# KiCad board Y_BUS_Ctrl.kicad_pcb (continued)
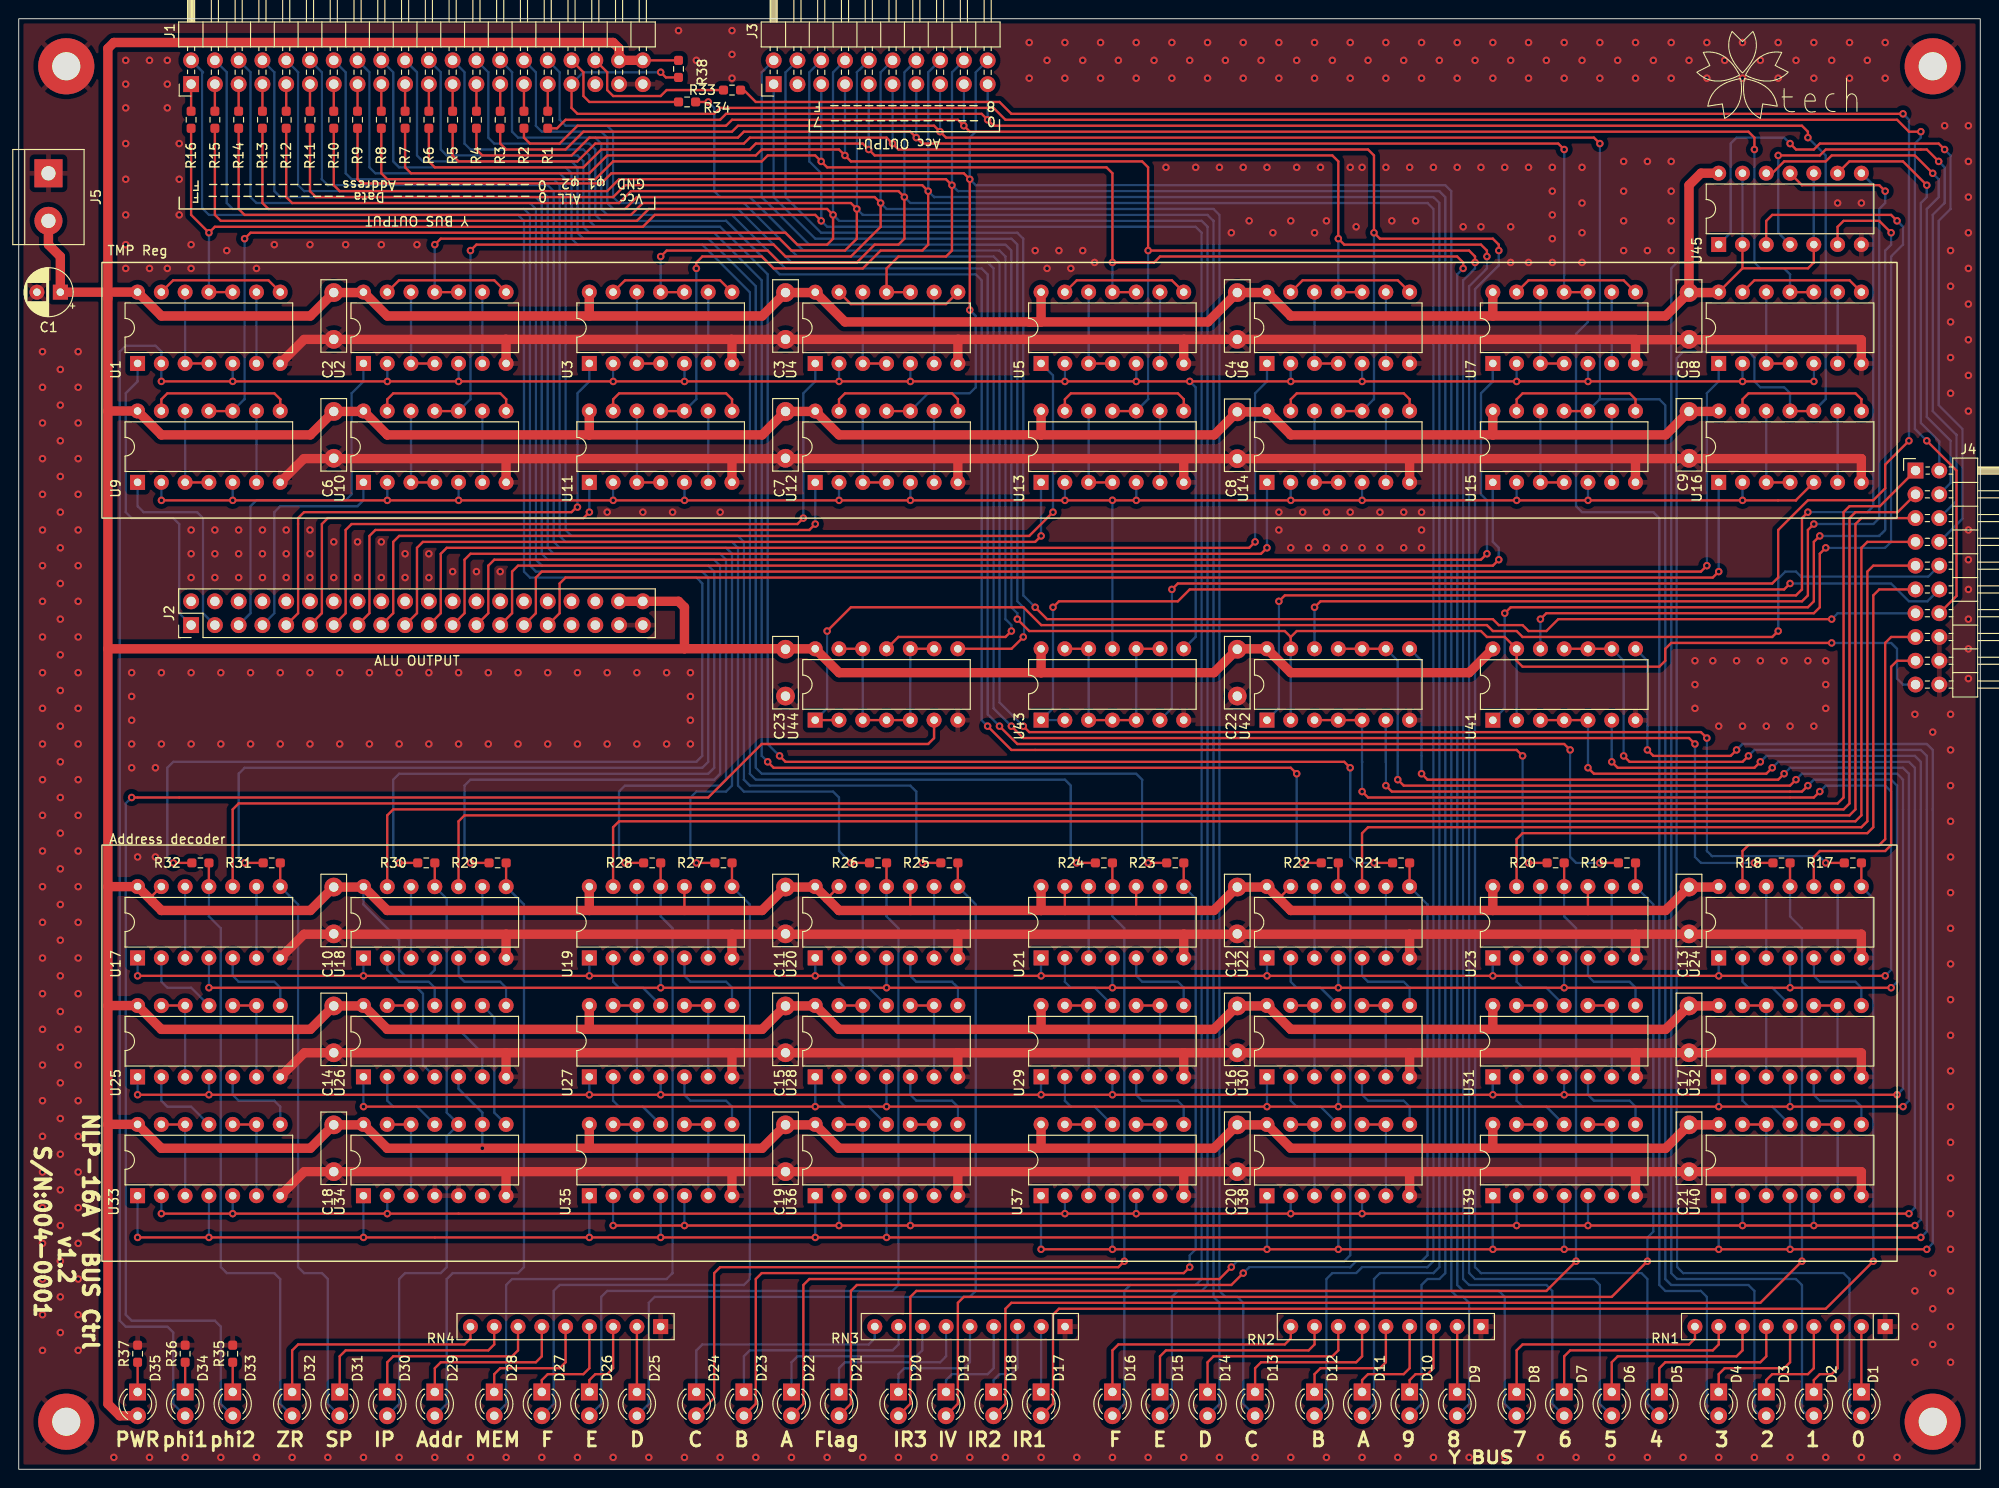
[diagram p0: board, top side]
## Nets (continued)
Net-(U18-Pad12): U18.3 U18.12
Net-(U19-Pad2): U19.2 U27.11
Net-(U19-Pad5): U19.5 U27.8
Net-(U19-Pad6): U19.6 U19.9
Net-(U19-Pad12): U19.3 U19.12
Net-(U20-Pad2): U20.2 U28.11
Net-(U20-Pad5): U20.5 U28.8
Net-(U20-Pad6): U20.6 U20.9
Net-(U20-Pad12): U20.3 U20.12
Net-(U21-Pad2): U21.2 U29.11
Net-(U21-Pad5): U21.5 U29.8
Net-(U21-Pad6): U21.6 U21.9
Net-(U21-Pad12): U21.3 U21.12
Net-(U22-Pad2): U22.2 U30.11
Net-(U22-Pad5): U22.5 U30.8
Net-(U22-Pad6): U22.6 U22.9
Net-(U22-Pad12): U22.3 U22.12
Net-(U23-Pad2): U23.2 U31.11
Net-(U23-Pad5): U23.5 U31.8
Net-(U23-Pad6): U23.6 U23.9
Net-(U23-Pad12): U23.3 U23.12
Net-(U24-Pad2): U24.2 U32.11
Net-(U24-Pad5): U24.5 U32.8
Net-(U24-Pad6): U24.6 U24.9
Net-(U24-Pad12): U24.3 U24.12
Net-(U25-Pad2): U25.2 U33.11
Net-(U25-Pad5): U25.5 U33.8
Net-(U25-Pad10): U25.6 U25.9 U25.10
Net-(U25-Pad12): U25.3 U25.12 U25.13
Net-(U26-Pad2): U26.2 U34.11
Net-(U26-Pad9): U26.9 U34.8
Net-(U26-Pad10): U26.6 U26.10
Net-(U26-Pad12): U26.3 U26.12 U26.13
Net-(U27-Pad2): U27.2 U35.11
Net-(U27-Pad5): U27.5 U35.8
Net-(U27-Pad10): U27.6 U27.9 U27.10
Net-(U27-Pad12): U27.3 U27.12 U27.13
Net-(U28-Pad2): U28.2 U36.11
Net-(U28-Pad5): U28.5 U36.8
Net-(U28-Pad10): U28.6 U28.9 U28.10
Net-(U28-Pad12): U28.3 U28.12 U28.13
Net-(U29-Pad2): U29.2 U37.11
Net-(U29-Pad5): U29.5 U37.8
Net-(U29-Pad10): U29.6 U29.9 U29.10
Net-(U29-Pad12): U29.3 U29.12 U29.13
Net-(U30-Pad2): U30.2 U38.11
Net-(U30-Pad5): U30.5 U38.8
Net-(U30-Pad10): U30.6 U30.9 U30.10
Net-(U30-Pad12): U30.3 U30.12 U30.13
Net-(U31-Pad2): U31.2 U39.11
Net-(U31-Pad5): U31.5 U39.8
Net-(U31-Pad10): U31.6 U31.9 U31.10
Net-(U31-Pad12): U31.3 U31.12 U31.13
Net-(U32-Pad2): U32.2 U40.11
Net-(U32-Pad5): U32.5 U40.8
Net-(U32-Pad10): U32.6 U32.9 U32.10
Net-(U32-Pad12): U32.3 U32.12 U32.13
Net-(U33-Pad10): U33.6 U33.9 U33.10
Net-(U33-Pad12): U33.3 U33.12 U33.13
Net-(U34-Pad12): U34.3 U34.12 U34.13
Net-(U35-Pad10): U35.6 U35.9 U35.10
Net-(U35-Pad12): U35.3 U35.12 U35.13
Net-(U36-Pad10): U36.6 U36.9 U36.10
Net-(U36-Pad12): U36.3 U36.12 U36.13
Net-(U37-Pad10): U37.6 U37.9 U37.10
Net-(U37-Pad12): U37.3 U37.12 U37.13
Net-(U38-Pad10): U38.6 U38.9 U38.10
Net-(U38-Pad12): U38.3 U38.12 U38.13
Net-(U39-Pad10): U39.6 U39.9 U39.10
Net-(U39-Pad12): U39.3 U39.12 U39.13
Net-(U40-Pad10): U40.6 U40.9 U40.10
Net-(U40-Pad12): U40.3 U40.12 U40.13
Net-(U41-Pad1): U41.1 U45.6
Net-(U41-Pad12): U41.12 U45.3
Net-(U42-Pad1): U42.1 U45.8
Net-(U42-Pad12): U42.12 U45.11
Net-(U43-Pad10): U43.3 U43.4 U43.5 U43.9 U43.10 U43.12 U43.13
Net-(U44-Pad10): U44.3 U44.4 U44.5 U44.9 U44.10 U44.12 U44.13

Pads without a net: J2 2 4 6 8 10 12 14 16 18 20 22 24 26 28 30 32 33 34 35 36; J3 3; U34 6

## Via types
v1: diameter 0.8, hole 0.4, Top to Bottom, 699 vias

## Routing (per net, layer and track width the routed paths; a pad name or vN(x,y) marks a point on that pad's centre or on a via; arc(x,y) is an arc through that point)
GND: length 936.9
  Top w1: 76.24,44.49 52.03,44.49 ; 76.24,44.49 76.19,44.44 U27.7 ; 76.24,44.49 100.29,44.49 ; 52.03,44.49 52.07,44.45 U26.7 ; 52.03,44.49 C14.1 30.52,44.49 U25.7 ; 124.5,120.69 124.46,120.64 U5.7 ; 124.5,120.69 100.37,120.69 ; 124.5,120.69 172.76,120.69 ; 172.76,44.49 172.72,44.44 U31.7 ; 172.76,44.49 196.81,44.49 196.85,44.45 196.84,44.44 U32.7 ; 172.76,44.49 148.55,44.49 ; U40.7 196.84,31.74 196.85,31.75 196.81,31.79 172.76,31.79 ; 76.16,31.79 52.03,31.79 ; 76.16,31.79 100.37,31.79 ; 76.16,31.79 76.19,31.75 U35.7 ; 52.03,31.79 52.07,31.75 U34.7 ; 52.03,31.79 C18.1 30.51,31.79 U33.7 ; U16.7 196.84,107.94 196.85,107.95 172.72,107.95 ; 172.72,57.15 196.85,57.15 196.84,57.14 U24.7 ; 172.72,57.15 172.72,57.14 U23.7 ; 172.72,57.15 148.59,57.15 ; 100.37,31.79 124.42,31.79 ; 100.37,31.79 100.33,31.74 U36.7 ; U22.7 148.59,57.14 148.59,57.15 ; U3.7 76.19,120.65 76.16,120.69 ; 76.16,120.69 100.37,120.69 ; 76.16,120.69 52.03,120.69 ; 124.46,107.95 124.46,107.94 U13.7 ; 124.46,107.95 100.33,107.95 ; 124.46,107.95 148.59,107.95 ; U10.7 52.07,107.94 52.07,107.95 ; 124.42,31.79 148.63,31.79 ; 124.42,31.79 124.46,31.75 U37.7 ; 148.63,31.79 148.59,31.75 U38.7 ; 148.63,31.79 172.76,31.79 ; 100.33,107.95 76.2,107.95 ; 100.33,107.95 U12.7 ; U19.7 76.19,57.14 76.2,57.15 ; 76.2,107.95 52.07,107.95 ; 76.2,107.95 76.19,107.94 U11.7 ; 52.07,107.95 30.46,107.95 U9.7 ; 124.46,57.15 100.33,57.15 ; 124.46,57.15 124.46,57.14 U21.7 ; 124.46,57.15 148.59,57.15 ; 100.33,57.15 76.2,57.15 ; 100.33,57.15 100.33,57.14 U20.7 ; 100.37,120.69 100.33,120.65 U4.7 ; 172.72,107.95 172.72,107.94 U15.7 ; 172.72,107.95 148.59,107.95 ; U1.7 30.46,120.65 ; 172.76,31.79 172.72,31.74 U39.7 ; 76.2,57.15 52.07,57.15 ; 52.07,57.15 52.07,57.14 52.07,54.62 ; 52.07,57.15 30.48,57.15 27.95,54.62 U17.7 ; 124.42,44.49 100.29,44.49 ; 124.42,44.49 148.55,44.49 ; 124.42,44.49 124.46,44.45 U29.7 ; 100.29,44.49 100.33,44.45 U28.7 ; 148.59,107.95 148.59,107.94 U14.7 ; 148.55,44.49 148.59,44.45 U30.7 ; U7.7 172.72,120.64 172.72,120.65 196.84,120.65 U8.7 ; 52.03,120.69 52.07,120.65 U2.7 ; 52.03,120.69 C2.1 30.48,120.69
  vias: v1(2.54,119.38) v1(2.54,115.57) v1(2.54,111.76) v1(2.54,107.95) v1(2.54,104.14) v1(2.54,100.33) v1(2.54,96.52) v1(2.54,92.71) v1(2.54,88.9) v1(2.54,85.09) v1(2.54,81.28) v1(2.54,77.47) v1(2.54,73.66) v1(2.54,69.85) v1(2.54,66.04) v1(2.54,62.23) v1(2.54,58.42) v1(2.54,54.61) v1(2.54,50.8) v1(2.54,46.99) v1(2.54,43.18) v1(2.54,39.37) v1(2.54,35.56) v1(2.54,31.75) v1(2.54,27.94) v1(2.54,24.13) v1(2.54,20.32) v1(2.54,16.51) v1(2.54,12.7) v1(4.45,117.47) v1(4.45,113.66) v1(4.45,109.85) v1(4.45,106.04) v1(4.45,102.23) v1(4.45,98.42) v1(4.45,94.61) v1(4.45,90.8) v1(4.45,86.99) v1(4.45,83.18) v1(4.45,79.37) v1(4.45,75.56) v1(4.45,71.75) v1(4.45,67.94) v1(4.45,64.13) v1(4.45,60.32) v1(4.45,56.51) v1(4.45,52.7) v1(4.45,48.89) v1(4.45,45.08) v1(4.45,41.27) v1(4.45,37.47) v1(4.45,33.66) v1(4.45,29.84) v1(4.45,26.03) v1(4.45,22.22) v1(4.45,18.41) v1(4.45,14.6) v1(6.35,119.38) v1(6.35,115.57) v1(6.35,111.76) v1(6.35,107.95) v1(6.35,104.14) v1(6.35,100.33) v1(6.35,96.52) v1(6.35,92.71) v1(6.35,88.9) v1(6.35,85.09) v1(6.35,81.28) v1(6.35,77.47) v1(6.35,73.66) v1(6.35,69.85) v1(6.35,66.04) v1(6.35,62.23) v1(6.35,58.42) v1(6.35,54.61) v1(6.35,50.8) v1(6.35,46.99) v1(6.35,43.18) v1(6.35,39.37) v1(6.35,35.56) v1(6.35,31.75) v1(6.35,27.94) v1(6.35,24.13) v1(6.35,20.32) v1(6.35,16.51) v1(6.35,12.7) v1(10.16,1.27) v1(11.43,150.5) v1(11.43,147.95) v1(11.43,145.41) v1(11.43,141.6) v1(11.43,137.79) v1(11.43,133.98) v1(11.43,130.81) v1(11.43,128.27) v1(12.06,85.09) v1(12.06,82.55) v1(12.06,80.01) v1(12.06,77.47) v1(12.06,74.93) v1(12.7,65.4) v1(13.97,150.5) v1(13.97,128.27) v1(13.97,1.27) v1(14.6,74.93) v1(14.6,65.4) v1(15.24,85.09) v1(15.24,77.47) v1(15.88,150.5) v1(15.88,147.95) v1(15.88,145.41) v1(15.88,128.27) v1(17.15,141.6) v1(17.15,137.79) v1(17.15,133.98) v1(17.78,1.27) v1(18.41,130.81) v1(18.41,128.27) v1(18.41,100.33) v1(18.41,97.79) v1(18.41,95.25) v1(18.41,85.09) v1(18.41,77.47) v1(20.95,100.33) v1(20.95,97.79) v1(20.95,95.25) v1(21.59,85.09) v1(21.59,77.47) v1(21.59,1.27) v1(22.23,130.17) v1(23.49,100.33) v1(23.49,97.79) v1(23.49,95.25) v1(24.77,85.09) v1(24.77,77.47) v1(25.4,128.27) v1(25.4,1.27) v1(26.03,100.33) v1(26.03,97.79) v1(26.03,95.25) v1(27.3,130.81) v1(27.94,85.09) v1(27.94,77.47) v1(28.57,100.33) v1(28.57,97.79) v1(28.57,95.25) v1(29.21,1.27) v1(31.12,130.81) v1(31.12,100.33) v1(31.12,97.79) v1(31.12,95.25) v1(31.12,85.09) v1(31.12,77.47) v1(33.02,1.27) v1(33.65,99.06) v1(33.65,95.25) v1(34.29,85.09) v1(34.29,77.47) v1(34.93,130.81) v1(36.2,99.06) v1(36.2,95.25) v1(36.83,1.27) v1(37.46,85.09) v1(37.46,77.47) v1(38.74,130.81) v1(38.74,99.06) v1(38.74,95.25) v1(40.64,85.09) v1(40.64,77.47) v1(40.64,1.27) v1(41.27,97.79) v1(41.27,95.25) v1(42.54,130.81) v1(43.82,97.79) v1(43.82,95.25) v1(43.82,85.09) v1(43.82,77.47) v1(44.45,1.27) v1(46.35,95.88) v1(46.99,85.09) v1(46.99,77.47) v1(48.26,1.27) v1(48.9,95.88) v1(50.16,85.09) v1(50.16,77.47) v1(51.43,95.88) v1(52.07,1.27) v1(53.34,85.09) v1(53.34,77.47) v1(55.88,1.27) v1(56.51,85.09) v1(56.51,77.47) v1(59.69,85.09) v1(59.69,77.47) v1(59.69,1.27) v1(62.87,102.23) v1(62.87,85.09) v1(62.87,77.47) v1(63.5,1.27) v1(66.04,85.09) v1(66.04,77.47) v1(66.68,102.23) v1(67.31,1.27) v1(69.22,85.09) v1(69.22,77.47) v1(69.85,102.23) v1(70.49,153.67) v1(71.12,1.27) v1(71.75,85.09) v1(71.75,82.55) v1(71.75,80.01) v1(71.75,77.47) v1(72.39,150.5) v1(74.93,102.23) v1(74.93,1.27) v1(76.2,153.67) v1(76.2,151.13) v1(76.2,148.59) v1(78.74,1.27) v1(82.55,1.27) v1(86.36,1.27) v1(90.17,1.27) v1(93.98,1.27) v1(97.79,1.27) v1(101.6,1.27) v1(105.41,1.27) v1(107.95,152.4) v1(107.95,148.59) v1(108.59,130.17) v1(109.22,1.27) v1(109.86,150.5) v1(109.86,128.27) v1(111.12,130.17) v1(111.76,152.4) v1(111.76,148.59) v1(112.4,128.27) v1(113.03,1.27) v1(113.67,150.5) v1(113.67,130.17) v1(114.94,128.9) v1(115.57,152.4) v1(115.57,148.59) v1(116.84,1.27) v1(117.47,150.5) v1(119.38,152.4) v1(119.38,148.59) v1(120.65,1.27) v1(121.28,150.5) v1(122.56,139.06) v1(123.19,152.4) v1(123.19,148.59) v1(124.46,1.27) v1(125.09,150.5) v1(125.73,139.06) v1(127,152.4) v1(127,148.59) v1(128.27,139.06) v1(128.27,1.27) v1(128.91,150.5) v1(129.54,132.08) v1(130.81,152.4) v1(130.81,148.59) v1(130.81,139.06) v1(131.44,133.35) v1(132.08,1.27) v1(132.72,150.5) v1(133.35,139.06) v1(133.99,132.08) v1(134.62,152.4) v1(134.62,148.59) v1(134.62,102.23) v1(134.62,100.33) v1(135.89,133.35) v1(135.89,98.42) v1(135.89,1.27) v1(136.53,150.5) v1(136.53,139.06) v1(137.16,102.23) v1(137.8,98.42) v1(138.43,152.4) v1(138.43,148.59) v1(138.43,132.08) v1(139.06,139.06) v1(139.7,133.35) v1(139.7,102.23) v1(139.7,98.42) v1(139.7,1.27) v1(140.34,150.5) v1(141.61,98.42) v1(142.24,152.4) v1(142.24,148.59) v1(142.24,139.06) v1(142.24,102.23) v1(142.88,132.71) v1(143.51,139.06) v1(143.51,98.42) v1(143.51,1.27) v1(144.15,150.5) v1(145.42,102.23) v1(145.42,98.42) v1(146.05,152.4) v1(146.05,148.59) v1(146.05,139.06) v1(146.69,133.35) v1(147.32,1.27) v1(147.96,150.5) v1(147.96,102.23) v1(147.96,98.42) v1(148.59,139.06) v1(149.22,133.35) v1(149.86,152.4) v1(149.86,148.59) v1(149.86,102.23) v1(149.86,100.33) v1(149.86,98.42) v1(151.13,139.06) v1(151.13,1.27) v1(151.77,150.5) v1(153.67,152.4) v1(153.67,148.59) v1(153.67,139.06) v1(154.31,132.71) v1(154.94,1.27) v1(155.58,150.5) v1(156.21,139.06) v1(156.21,132.71) v1(157.48,152.4) v1(157.48,148.59) v1(158.75,139.06) v1(158.75,1.27) v1(159.39,150.5) v1(159.39,132.71) v1(159.39,128.9) v1(161.29,152.4) v1(161.29,148.59) v1(161.29,139.06) v1(161.29,128.9) v1(162.56,1.27) v1(163.19,150.5) v1(163.83,139.06) v1(163.83,136.52) v1(163.83,133.98) v1(163.83,131.44) v1(163.83,128.9) v1(165.1,152.4) v1(165.1,148.59) v1(166.37,1.27) v1(167,150.5) v1(167,139.06) v1(167,135.25) v1(167,132.08) v1(167,128.9) v1(168.91,152.4) v1(168.91,148.59) v1(170.18,1.27) v1(170.81,150.5) v1(171.45,139.7) v1(171.45,136.52) v1(171.45,133.35) v1(171.45,130.17) v1(172.72,152.4) v1(172.72,148.59) v1(173.99,139.7) v1(173.99,130.17) v1(173.99,1.27) v1(174.62,150.5) v1(176.53,152.4) v1(176.53,148.59) v1(176.53,139.7) v1(176.53,136.52) v1(176.53,133.35) v1(176.53,130.17) v1(177.8,1.27) v1(178.44,150.5) v1(179.07,86.36) v1(179.07,83.82) v1(179.07,81.28) v1(180.34,152.4) v1(180.34,148.59) v1(180.97,86.36) v1(181.61,79.37) v1(181.61,1.27) v1(182.25,150.5) v1(183.52,86.36) v1(184.15,152.4) v1(184.15,148.59) v1(184.15,79.37) v1(185.42,1.27) v1(186.06,150.5) v1(186.06,86.36) v1(186.69,79.37) v1(187.96,152.4) v1(187.96,148.59) v1(188.59,86.36) v1(189.23,79.37) v1(189.23,1.27) v1(189.87,150.5) v1(191.14,86.36) v1(191.77,152.4) v1(191.77,148.59) v1(191.77,79.37) v1(193.04,86.36) v1(193.04,83.82) v1(193.04,81.28) v1(193.04,1.27) v1(193.68,150.5) v1(194.31,135.25) v1(195.58,152.4) v1(195.58,148.59) v1(196.85,135.25) v1(196.85,1.27) v1(197.49,150.5) v1(199.39,152.4) v1(199.39,148.59) v1(200.66,1.27) v1(202.56,80.64) v1(202.56,19.05) v1(202.56,15.24) v1(202.56,11.43) v1(204.47,78.74) v1(204.47,20.95) v1(204.47,17.14) v1(204.47,13.33) v1(205.74,143.51) v1(206.38,130.17) v1(206.38,126.36) v1(206.38,122.55) v1(206.38,118.74) v1(206.38,114.93) v1(206.38,80.64) v1(206.38,76.83) v1(206.38,73.02) v1(206.38,69.21) v1(206.38,65.4) v1(206.38,61.59) v1(206.38,57.78) v1(206.38,53.97) v1(206.38,50.16) v1(206.38,46.35) v1(206.38,42.54) v1(206.38,38.73) v1(206.38,34.92) v1(206.38,31.11) v1(206.38,27.3) v1(206.38,23.49) v1(206.38,19.05) v1(206.38,15.24) v1(206.38,11.43) v1(208.28,143.51) v1(208.28,139.7) v1(208.28,135.89) v1(208.28,132.08) v1(208.28,128.27) v1(208.28,124.46) v1(208.28,120.65) v1(208.28,116.84) v1(208.28,113.03) v1(208.28,100.33) v1(208.28,97.15) v1(208.28,93.98) v1(208.28,90.8) v1(208.28,87.63) v1(208.28,84.45)
VCC: length 1422.5
  Top w0.25: R38.1 J1.40 ; U45.2 184.15,128.28 ; 184.15,128.28 191.15,128.28 191.77,128.9 191.77,128.91 U45.5 ; 184.15,128.28 U8.14 ; U19.10 71.12,59.69 71.12,59.69 ; U21.10 119.38,59.69 119.38,59.69 ; 134.62,60.96 134.62,60.98 U22.13 ; 111.76,59.69 111.75,59.69 U21.13 ; U20.13 86.36,60.98 86.36,60.96 ; U23.10 167.64,59.69 167.64,59.69 ; U17.13 14.29,61.29 14.29,60.64 ; U20.10 95.25,59.69 95.25,59.69
  Top w1: U5.14 109.22,122.55 107.95,122.55 ; 60.96,34.29 60.96,34.29 U35.14 ; 60.96,34.29 v1(49.53,34.29) 39.37,34.29 39.37,34.29 U34.14 36.77,36.79 C18.2 31.15,34.29 15.24,34.29 15.24,34.29 U33.14 9.53,36.84 ; 60.96,34.29 79.41,34.29 C19.2 85.03,36.79 U36.14 87.63,34.29 87.63,34.29 109.22,34.29 ; J1.40 J1.38 64.13,151.76 63.5,152.4 10.16,152.4 9.52,151.76 9.52,113.03 ; 109.22,34.29 127.68,34.29 C20.2 133.31,36.79 U38.14 135.89,34.29 157.48,34.29 ; 109.22,34.29 109.22,34.29 U37.14 ; 157.48,34.29 175.94,34.29 C21.2 181.56,36.79 U40.14 ; 157.48,34.29 157.47,34.29 U39.14 ; U29.14 109.22,46.99 109.22,46.99 ; U11.14 60.96,110.49 60.96,110.49 ; 109.22,59.69 109.22,59.69 U21.14 ; 109.22,59.69 87.63,59.69 87.63,59.69 U20.14 85.03,62.19 C11.2 79.41,59.69 60.96,59.69 ; 109.22,59.69 127.68,59.69 C12.2 133.3,62.19 U22.14 135.89,59.69 135.89,59.69 157.48,59.69 ; 9.53,36.84 9.52,36.83 9.52,49.53 ; 9.53,36.84 9.53,6.97 10.8,5.72 D35.2 ; 9.52,113.03 9.53,113.04 U9.14 15.24,110.49 15.24,110.49 31.15,110.49 C6.2 36.77,112.99 U10.14 39.37,110.49 39.37,110.49 60.96,110.49 ; 9.52,113.03 9.52,87.63 ; 9.52,49.53 9.52,62.23 ; 9.52,49.53 U25.14 15.24,46.99 31.15,46.99 C14.2 36.77,49.49 U26.14 39.37,46.99 39.37,46.99 60.96,46.99 ; 9.52,62.23 9.52,87.63 ; 9.52,62.23 9.53,62.24 U17.14 15.24,59.69 15.24,59.69 31.15,59.69 C10.2 36.77,62.19 36.82,62.24 39.37,59.69 39.37,59.69 60.96,59.69 ; U19.14 60.96,59.69 60.96,59.69 ; U13.14 109.22,110.49 109.22,110.49 ; U45.14 179.72,138.44 178.44,137.16 C5.2 ; 8.89,125.73 C1.1 4.45,129.54 3.17,130.81 J5.2 ; U27.14 60.96,46.99 60.96,46.99 ; 157.48,59.69 175.94,59.69 C13.2 181.56,62.19 U24.14 ; 157.48,59.69 157.47,59.69 U23.14 ; 9.52,87.63 9.53,87.64 71.11,87.64 ; 109.22,110.49 127.72,110.49 C8.2 133.25,112.95 U14.14 135.89,110.49 135.89,110.49 157.48,110.49 ; 109.22,110.49 87.63,110.49 U12.14 85.05,112.99 C7.2 79.41,110.49 60.96,110.49 ; 109.22,85.09 127.68,85.09 C22.2 130.22,87.64 U42.14 135.9,85.09 154.94,85.09 U41.14 ; 109.22,85.09 87.63,85.09 U44.14 81.97,87.64 C23.2 81.85,87.65 71.12,87.65 71.12,92.07 70.49,92.71 J2.38 ; 109.22,85.09 109.22,85.09 U43.14 ; C5.2 175.94,123.19 157.48,123.19 ; C5.2 181.56,125.69 U8.14 ; 60.96,46.99 79.41,46.99 C15.2 85.03,49.49 U28.14 87.63,46.99 87.63,46.99 109.22,46.99 ; 157.48,46.99 175.94,46.99 C17.2 181.56,49.49 U32.14 ; 157.48,46.99 135.89,46.99 135.89,46.99 U30.14 133.3,49.49 C16.2 127.68,46.99 109.22,46.99 ; 157.48,46.99 157.47,46.99 U31.14 ; 157.48,110.49 175.94,110.49 C9.2 181.56,112.99 U16.14 ; 157.48,110.49 157.47,110.49 U15.14 ; U7.14 157.47,123.19 135.89,123.19 135.89,123.19 U6.14 133.3,125.69 C4.2 127.04,122.55 107.95,122.55 ; 107.95,122.55 88.26,122.55 U4.14 85.05,125.69 C3.2 79.41,123.19 60.96,123.19 ; U3.14 60.96,123.19 39.37,123.19 U2.14 36.77,125.69 C2.2 31.15,123.19 15.24,123.19 U1.14 10.17,125.74
  Bottom w0.25: 36.82,62.24 36.82,60.33 40.64,56.51 40.64,53.34 41.27,52.7 43.82,52.7 44.45,53.34 44.45,54.61 ; v1(49.53,34.29) 49.52,34.29 U34.9 49.52,38.09 49.53,38.1 46.99,40.64 U26.5 ; U45.5 U45.10 ; U45.2 U45.13
/address_decoder/decoder0/A: length 236.9
  Top w0.25: v1(173.99,76.83) 174.62,76.2 182.88,76.2 v1(183.52,76.83) ; v1(109.22,23.49) v1(116.84,23.49) v1(133.35,23.49) v1(140.97,23.49) v1(157.48,23.49) v1(165.1,23.49) v1(181.61,23.49) v1(189.23,23.49) v1(203.84,23.49)
  Bottom w0.25: v1(109.22,23.49) 109.22,23.5 U37.1 ; v1(173.99,76.83) 173.99,86.36 U41.8 ; v1(157.48,23.49) 157.47,23.5 U39.1 ; v1(165.1,23.49) 165.09,23.5 U39.4 ; U38.4 v1(140.97,23.49) ; U40.4 189.22,23.5 v1(189.23,23.49) ; v1(181.61,23.49) 181.61,23.5 U40.1 ; v1(203.84,23.49) 204.47,24.13 204.47,76.83 203.84,77.47 184.15,77.47 v1(183.52,76.83) ; U38.1 v1(133.35,23.49) ; v1(116.84,23.49) 116.84,23.5 U37.4
/address_decoder/decoder0/B: length 252.9
  Top w0.25: v1(202.56,26.03) v1(191.77,26.03) v1(184.15,26.03) v1(167.64,26.03) v1(160.02,26.03) v1(95.25,26.03) v1(87.63,26.03) v1(71.12,26.03) v1(63.5,26.03) ; v1(170.18,75.56) 170.81,74.93 185.42,74.93 v1(186.06,75.56)
  Bottom w0.25: U39.5 167.64,26.04 v1(167.64,26.03) ; v1(170.18,75.56) U41.6 ; v1(191.77,26.03) 191.77,26.04 U40.5 ; v1(186.06,75.56) 186.69,76.2 202.56,76.2 203.2,75.56 203.2,26.67 v1(202.56,26.03) ; U40.2 184.15,26.04 v1(184.15,26.03) ; v1(95.25,26.03) 95.25,26.04 U36.5 ; v1(71.12,26.03) 71.12,26.04 U35.5 ; U35.2 63.49,26.04 v1(63.5,26.03) ; v1(87.63,26.03) 87.62,26.04 U36.2 ; v1(160.02,26.03) 160.02,26.04 U39.2
/address_decoder/decoder0/C: length 289.6
  Top w0.25: v1(149.86,74.29) 150.5,73.66 187.96,73.66 v1(188.59,74.29) ; v1(201.3,38.73) v1(189.23,38.73) v1(181.61,38.73) v1(140.97,38.73) v1(133.35,38.73) v1(92.71,38.73) v1(85.09,38.73) v1(36.83,38.73)
  Bottom w0.25: v1(149.86,74.29) 149.86,86.36 U42.8 ; U28.1 85.09,38.74 v1(85.09,38.73) ; v1(92.71,38.73) 92.71,38.74 U28.4 ; v1(181.61,38.73) 181.61,38.74 U32.1 ; v1(133.35,38.73) 133.34,38.74 U30.1 ; v1(189.23,38.73) 189.22,38.74 U32.4 ; v1(36.83,38.73) 36.82,38.74 U26.1 ; v1(140.97,38.73) 140.97,38.74 U30.4 ; v1(201.3,38.73) 201.93,39.37 201.93,74.29 201.3,74.93 189.23,74.93 v1(188.59,74.29)
/address_decoder/decoder0/D: length 286.5
  Top w0.25: v1(20.32,51.44) v1(68.58,51.44) v1(92.71,51.44) v1(116.84,51.44) v1(140.97,51.44) v1(165.1,51.44) v1(189.23,51.44) v1(200.03,51.44) ; v1(191.14,73.02) 190.5,72.39 146.69,72.39 v1(146.05,73.02)
  Bottom w0.25: U19.4 68.57,51.44 v1(68.58,51.44) ; v1(146.05,73.02) 146.05,75.56 146.05,75.57 U42.6 ; U22.4 140.97,51.44 v1(140.97,51.44) ; U20.4 92.71,51.44 v1(92.71,51.44) ; U21.4 116.84,51.44 v1(116.84,51.44) ; v1(191.14,73.02) 191.77,73.66 200.03,73.66 200.66,73.02 200.66,52.07 v1(200.03,51.44) ; U17.4 20.31,51.44 v1(20.32,51.44) ; v1(165.1,51.44) 165.09,51.44 U23.4 ; v1(189.23,51.44) 189.22,51.44 U24.4
/address_decoder/decoder1/D: length 292.3
  Top w0.25: v1(12.7,52.7) v1(36.83,52.7) v1(60.96,52.7) v1(85.09,52.7) v1(109.22,52.7) v1(133.35,52.7) v1(157.48,52.7) v1(181.61,52.7) v1(199.39,52.7) ; v1(192.41,72.39) 191.77,71.75 144.15,71.75 v1(143.51,72.39) ; U42.5 U42.3
  Bottom w0.25: U24.1 181.61,52.71 v1(181.61,52.7) ; 36.82,54.62 36.82,52.71 v1(36.83,52.7) ; U22.1 133.34,52.71 v1(133.35,52.7) ; U23.1 157.47,52.71 v1(157.48,52.7) ; U19.1 60.96,52.71 v1(60.96,52.7) ; U17.1 12.7,54.61 v1(12.7,52.7) ; v1(199.39,52.7) 200.03,53.34 200.03,72.39 199.39,73.02 193.04,73.02 v1(192.41,72.39) ; v1(109.22,52.7) 109.22,52.71 U21.1 ; U20.1 85.09,52.71 v1(85.09,52.7) ; v1(143.51,72.39) 143.51,75.56 143.5,75.57 U42.5
/address_decoder/decoder10/A: length 323.9
  Top w0.25: 165.1,87.64 170.18,87.64 ; v1(171.45,76.2) 172.09,75.56 184.15,75.56 v1(184.78,76.2) ; v1(12.7,24.76) v1(20.32,24.76) v1(36.83,24.76) v1(60.96,24.76) v1(68.58,24.76) v1(85.09,24.76) v1(92.71,24.76) v1(203.2,24.76)
  Bottom w0.25: v1(68.58,24.76) 68.57,24.77 U35.4 ; v1(92.71,24.76) 92.71,24.77 U36.4 ; v1(20.32,24.76) 20.31,24.77 U33.4 ; v1(85.09,24.76) 85.09,24.77 U36.1 ; U33.1 12.7,24.77 v1(12.7,24.76) ; v1(36.83,24.76) 36.82,24.77 U34.1 ; v1(171.45,76.2) 171.45,86.36 U41.9 ; U35.1 60.96,24.77 v1(60.96,24.76) ; v1(203.2,24.76) 203.84,25.4 203.84,76.2 203.2,76.83 185.42,76.83 v1(184.78,76.2)
/address_decoder/decoder10/C: length 311.8
  Top w0.25: v1(12.7,40) v1(20.32,40) v1(60.96,40) v1(68.58,40) v1(109.22,40) v1(116.84,40) v1(157.48,40) v1(165.1,40) v1(200.66,40) ; U42.11 U42.9 ; v1(147.32,73.66) 147.96,73.02 189.23,73.02 v1(189.87,73.66)
  Bottom w0.25: v1(189.87,73.66) 190.5,74.29 200.66,74.29 201.3,73.66 201.3,40.64 v1(200.66,40) ; U31.1 157.47,40.01 v1(157.48,40) ; v1(60.96,40) 60.96,40.01 U27.1 ; v1(165.1,40) 165.09,40.01 U31.4 ; U29.4 116.84,40.01 v1(116.84,40) ; U27.4 68.57,40.01 v1(68.58,40) ; U29.1 109.22,40.01 v1(109.22,40) ; v1(12.7,40) U25.1 ; U25.4 v1(20.32,40) ; U42.9 147.32,86.36 v1(147.32,73.66)
/address_decoder/decoder13/B: length 294.1
  Top w0.25: v1(167.64,74.93) 168.28,74.29 186.69,74.29 v1(187.33,74.93) ; v1(201.93,27.3) v1(143.51,27.3) v1(135.89,27.3) v1(119.38,27.3) v1(111.76,27.3) v1(39.37,27.3) v1(22.86,27.3) v1(15.24,27.3) ; 162.56,80.02 167.64,80.02
  Bottom w0.25: v1(39.37,27.3) 39.37,27.31 U34.2 ; v1(187.33,74.93) 187.96,75.56 201.93,75.56 202.56,74.93 202.56,27.94 v1(201.93,27.3) ; v1(167.64,74.93) U41.5 ; v1(15.24,27.3) 15.24,29.22 U33.2 ; U33.5 22.85,27.31 v1(22.86,27.3) ; v1(111.76,27.3) 111.75,27.31 U37.2 ; U37.5 119.38,27.31 v1(119.38,27.3) ; U38.2 v1(135.89,27.3) ; U38.5 v1(143.51,27.3)
ALL_CLK: length 214.8
  Top w0.25: J4.14 207.01,93.28 207.01,106.68 v1(203.84,109.85) ; J1.33 59.05,145.41 59.69,144.78 74.29,144.78 74.93,145.41 104.14,145.41 105.41,144.14 200.66,144.14 201.93,142.88 v1(203.2,142.88) ; R38.2 69.13,148.67 v1(68.58,149.22)
  Bottom w0.25: J1.33 60.32,149.22 v1(68.58,149.22) ; v1(203.2,142.88) 203.2,142.24 202.56,141.6 202.56,111.12 v1(203.84,109.85)
Decoded_Reg_Addr0: length 144.4
  Top w0.25: U24.8 196.84,64.76 R17.1 ; D17.2 110.49,6.99 110.49,16.51 111.12,17.14 193.04,17.14 v1(198.12,22.22)
  Bottom w0.25: U24.8 198.12,60.97 v1(198.12,22.22)
Decoded_Reg_Addr1: length 142.2
  Top w0.25: v1(190.5,22.22) 186.06,17.78 106.05,17.78 105.41,17.14 105.41,6.99 D18.2 ; U24.11 189.22,64.76 R18.1
  Bottom w0.25: U24.11 189.22,59.06 190.5,57.78 v1(190.5,22.22)
Decoded_Reg_Addr2: length 131.7
  Top w0.25: R19.1 172.72,64.76 U23.8 ; v1(173.99,22.22) 170.18,18.41 100.97,18.41 100.33,17.78 100.33,6.99 D19.2
  Bottom w0.25: v1(173.99,22.22) 173.99,24.76 174.62,25.4 174.62,60.33 U23.8
Decoded_Reg_Addr3: length 129
  Top w0.25: R20.1 165.09,64.76 U23.11 ; D20.2 95.25,6.99 95.25,18.41 95.89,19.05 163.19,19.05 v1(166.37,22.22)
  Bottom w0.25: U23.11 165.09,59.06 166.37,57.78 v1(166.37,22.22)
Decoded_Reg_Addr4: length 119.7
  Top w0.25: R21.1 148.59,64.76 U22.8 ; v1(130.81,20.95) 129.54,19.69 89.53,19.69 88.9,19.05 88.9,6.99 D21.2
  Bottom w0.25: U22.8 150.5,60.33 150.5,22.86 149.86,22.22 142.88,22.22 142.24,21.59 131.44,21.59 v1(130.81,20.95)
Decoded_Reg_Addr5: length 116.7
  Top w0.25: D22.2 83.82,6.98 83.82,19.69 84.46,20.32 128.27,20.32 v1(129.54,21.59) ; U22.11 140.97,64.76 R22.1
  Bottom w0.25: v1(129.54,21.59) 130.18,22.22 141.61,22.22 142.24,22.86 142.24,60.97 U22.11
Decoded_Reg_Addr6: length 106
  Top w0.25: v1(125.09,21.59) 124.46,20.95 79.38,20.95 78.74,20.32 78.74,6.99 D23.2 ; U21.8 124.46,64.76 R23.1
  Bottom w0.25: v1(125.09,21.59) 125.09,22.86 125.73,23.49 125.73,60.97 U21.8
Decoded_Reg_Addr7: length 103.4
  Top w0.25: v1(118.11,22.22) 117.47,21.59 74.93,21.59 74.29,20.95 74.29,7.62 73.66,6.98 73.66,6.98 D24.2 ; R24.1 116.84,64.76 U21.11
  Bottom w0.25: U21.11 116.84,59.06 118.11,57.78 v1(118.11,22.22)
Decoded_Reg_Addr8: length 94.6
  Top w0.25: U20.8 100.33,64.76 R25.1
  Bottom w0.25: U20.8 102.24,60.33 102.24,19.05 101.6,18.41 67.94,18.41 67.31,17.78 67.31,6.98 D25.2
Decoded_Reg_Addr9: length 91.1
  Top w0.25: R26.1 92.71,64.76 U20.11
  Bottom w0.25: D26.2 62.23,6.99 62.23,18.41 62.87,19.05 93.34,19.05 93.98,19.69 93.98,57.78 92.71,59.06 U20.11
Decoded_Reg_Addr10: length 80.6
  Top w0.25: R27.1 76.19,64.76 U19.8
  Bottom w0.25: U19.8 78.1,60.33 78.1,20.32 77.47,19.69 57.79,19.69 57.15,19.05 57.15,6.99 D27.2
Decoded_Reg_Addr11: length 77.1
  Top w0.25: 68.58,64.77 68.57,64.76 U19.11
  Bottom w0.25: U19.11 68.57,59.06 69.85,57.78 69.85,20.95 69.22,20.32 52.71,20.32 52.07,19.69 52.07,6.98 D28.2
Decoded_Reg_Addr12: length 67.9
  Top w0.25: 52.07,62.24 52.07,64.76 R29.1
  Bottom w0.25: 52.07,62.24 53.98,60.33 53.98,21.59 53.34,20.95 46.35,20.95 45.72,20.32 45.72,6.98 D29.2
Decoded_Reg_Addr13: length 65.5
  Top w0.25: 44.45,62.24 44.45,64.76 R30.1
  Bottom w0.25: D30.2 40.64,6.98 40.64,20.32 41.27,20.95 45.09,20.95 45.72,21.59 45.72,35.57 U34.10 45.72,38.1 45.72,60.96 44.45,62.23
Decoded_Reg_Addr14: length 85.8
  Top w0.25: 27.94,64.77 27.93,64.76 U17.8
  Bottom w0.25: 29.85,51.44 29.85,60.33 U17.8 ; 29.85,51.44 29.85,21.59 30.48,20.95 32.38,20.95 33.02,20.32 33.02,6.98 D31.2 ; 29.85,51.44 42.54,51.44 43.18,50.8 43.18,43.18 43.18,43.18 U26.4
Decoded_Reg_Addr15: length 65.7
  Top w0.25: R32.1 20.31,64.76 U17.11
  Bottom w0.25: D32.2 27.94,6.98 27.94,20.32 27.3,20.95 22.23,20.95 21.59,21.59 21.59,57.78 20.31,59.06 U17.11
IN0: length 138.9
  Top w0.25: J2.31 57.79,91.44 57.79,94.61 58.42,95.25 180.97,95.25 v1(181.61,95.88)
  Bottom w0.25: U16.1 181.61,95.89 v1(181.61,95.88)
IN1: length 153.4
  Top w0.25: J2.29 55.24,91.44 55.24,95.25 55.88,95.88 179.71,95.88 v1(180.34,96.52)
  Bottom w0.25: U8.1 181.61,116.21 181.61,116.2 180.34,114.93 v1(180.34,96.52)
IN2: length 120.7
  Top w0.25: J2.27 52.71,91.44 52.71,95.88 53.34,96.52 157.48,96.52 v1(158.12,97.15)
  Bottom w0.25: U15.1 157.47,99.06 158.12,98.42 v1(158.12,97.15)
IN3: length 135.2
  Top w0.25: v1(156.84,97.79) 156.21,97.15 50.8,97.15 50.16,96.52 50.16,91.44 J2.25
  Bottom w0.25: v1(156.84,97.79) 156.84,103.5 156.21,104.14 156.21,114.93 157.48,116.2 157.47,116.21 U7.1
IN4: length 100.8
  Top w0.25: J2.23 47.62,91.44 47.62,97.15 48.26,97.79 132.72,97.79 v1(133.35,98.42)
  Bottom w0.25: v1(133.35,98.42) 133.34,98.43 U14.1
IN5: length 115.3
  Top w0.25: v1(132.08,99.06) 131.44,98.42 45.72,98.42 45.09,97.79 45.09,91.44 J2.21
  Bottom w0.25: v1(132.08,99.06) 132.08,114.93 133.35,116.2 133.34,116.21 U6.1
IN6: length 81.7
  Top w0.25: J2.19 42.54,91.44 42.54,98.42 43.18,99.06 108.59,99.06 v1(109.22,99.69)
  Bottom w0.25: U13.1 109.22,99.7 v1(109.22,99.69)
IN7: length 97.6
  Top w0.25: v1(110.49,102.23) 107.95,99.69 40.64,99.69 40.01,99.06 40.01,91.44 J2.17
  Bottom w0.25: v1(110.49,102.23) 110.49,116.84 U5.1
IN8: length 62.6
  Top w0.25: J2.15 37.46,91.44 37.46,99.69 38.1,100.33 84.46,100.33 v1(85.09,100.96)
  Bottom w0.25: v1(85.09,100.96) U12.1
IN9: length 77.1
  Top w0.25: v1(83.82,101.6) 83.19,100.96 35.56,100.96 34.93,100.33 34.93,91.44 J2.13
  Bottom w0.25: v1(83.82,101.6) 83.82,114.93 85.09,116.2 U4.1
IN10: length 43.6
  Top w0.25: J2.11 32.38,91.44 32.38,100.96 33.02,101.6 60.32,101.6 v1(60.96,102.23)
  Bottom w0.25: U11.1 60.96,102.24 v1(60.96,102.23)
IN11: length 58.2
  Top w0.25: v1(59.69,102.77) 59.59,102.77 59.05,102.23 30.48,102.23 29.85,101.6 29.85,91.44 J2.9
  Bottom w0.25: U3.1 60.96,116.21 60.96,116.2 59.69,114.93 v1(59.69,102.77)
IN12: length 24.6
  Bottom w0.25: J2.7 27.3,91.44 27.3,102.23 27.94,102.87 36.2,102.87 36.83,103.5 36.82,103.51 U10.1
IN13: length 39.1
  Bottom w0.25: J2.5 24.77,91.44 24.77,102.87 25.4,103.5 34.93,103.5 35.56,104.14 35.56,114.93 36.83,116.2 36.82,116.21 U2.1
IN14: length 22
  Bottom w0.25: J2.3 19.69,91.44 19.69,101.6 19.05,102.23 13.34,102.23 12.7,102.87 U9.1
IN15: length 34
  Bottom w0.25: U1.1 12.7,116.21 12.7,116.2 11.43,114.93 11.43,102.23 12.06,101.6 16.51,101.6 17.15,100.96 17.15,91.44 J2.1
OUT0: length 322.7
  Top w0.25: R1.2 57.51,143.23 58.42,144.14 74.93,144.14 75.56,144.78 102.87,144.78 v1(103.5,144.14) 104.14,143.51 190.5,143.51 191.14,142.88 v1(191.14,142.24) ; 189.23,113.03 191.77,113.03
  Bottom w0.25: D1.2 196.21,5.72 195.58,6.35 195.58,20.32 194.94,20.95 177.8,20.95 177.17,21.59 177.17,31.19 177.11,31.24 177.11,118.67 177.8,119.36 184.8,119.36 185.42,118.74 185.42,116.2 186.06,115.57 188.59,115.57 189.22,114.94 U16.11 ; v1(191.14,142.24) 193.04,140.33 193.04,114.3 193.03,114.3 U16.10 ; v1(103.5,144.14) 103.51,144.15 J3.19
OUT1: length 306.9
  Top w0.25: 189.23,125.73 191.77,125.73 ; R2.2 53.98,142.24 54.61,141.6 57.79,141.6 59.69,143.51 75.56,143.51 76.2,144.14 100.33,144.14 v1(100.97,143.51) 101.6,142.88 184.78,142.88 185.42,142.24 v1(185.42,140.97)
  Bottom w0.25: J3.17 100.97,143.51 v1(100.97,143.51) ; 185.42,128.9 177.17,128.9 176.53,128.27 176.53,20.95 177.17,20.32 189.87,20.32 190.5,19.69 190.5,6.35 191.13,5.72 D2.2 ; 185.42,128.9 186.06,128.27 188.59,128.27 189.23,127.63 189.22,127.63 U8.11 ; 185.42,128.9 v1(185.42,140.97)
OUT2: length 282.8
  Top w0.25: R3.2 51.43,141.6 52.07,140.97 58.42,140.97 60.32,142.88 76.2,142.88 76.84,143.51 97.79,143.51 v1(98.43,142.88) 99.06,142.24 168.28,142.24 v1(168.91,141.6) ; 165.1,113.03 167.64,113.03
  Bottom w0.25: J3.15 98.43,142.88 v1(98.43,142.88) ; 168.9,114.3 168.91,114.3 v1(168.91,141.6) ; 168.9,114.3 175.26,114.3 175.9,113.66 175.9,20.32 176.53,19.69 184.78,19.69 185.42,19.05 185.42,6.35 186.05,5.72 D3.2 ; 168.9,114.3 U15.10
OUT3: length 278
  Top w0.25: R4.2 48.9,140.97 49.53,140.33 59.05,140.33 60.96,142.24 76.84,142.24 77.47,142.88 95.25,142.88 v1(95.89,142.24) 96.52,141.6 164.47,141.6 v1(165.1,140.97) ; 165.1,125.73 167.64,125.73
  Bottom w0.25: U7.11 165.09,127.63 165.1,127.63 v1(165.1,140.97) ; U7.10 167.64,122.55 166.37,121.28 166.37,102.87 167,102.23 174.62,102.23 175.26,101.6 175.26,19.69 175.9,19.05 179.71,19.05 180.34,18.41 180.34,6.35 180.97,5.72 D4.2 ; v1(95.89,142.24) 95.89,142.25 J3.13
OUT4: length 298.3
  Top w0.25: v1(158.12,130.17) 158.12,130.81 157.48,131.44 145.42,131.44 v1(144.78,132.08) 144.78,140.33 144.15,140.97 93.98,140.97 v1(93.34,141.6) 92.71,142.24 78.1,142.24 77.47,141.6 61.6,141.6 59.69,139.7 46.99,139.7 46.35,140.33 R5.2 ; 140.97,113.03 143.51,113.03
  Bottom w0.25: D5.2 174,6.98 173.99,6.98 173.99,20.32 173.36,20.95 156.21,20.95 155.58,21.59 155.58,126.05 158.12,128.59 v1(158.12,130.17) ; J3.11 93.35,141.61 v1(93.34,141.6) ; U14.10 144.77,114.3 144.78,114.3 v1(144.78,132.08)
OUT5: length 281.7
  Top w0.25: 140.97,125.73 143.51,125.73 ; R6.2 43.82,139.7 44.45,139.06 60.32,139.06 62.23,140.97 78.1,140.97 78.74,141.6 90.17,141.6 v1(90.81,140.97) 91.44,140.33 140.34,140.33 140.97,139.7 v1(140.97,131.44) 141.61,130.81 156.21,130.81 156.84,130.17 v1(156.84,129.54)
  Bottom w0.25: v1(90.81,140.97) 90.81,140.97 J3.9 ; v1(140.97,131.44) 140.97,131.44 U6.11 ; D6.2 168.91,6.99 168.91,19.69 168.28,20.32 155.58,20.32 154.94,20.95 154.94,126.36 156.84,128.27 v1(156.84,129.54)
